# Altium PCB bms_mainboard-1_1.PcbDoc (part 6 of 7) (continued)
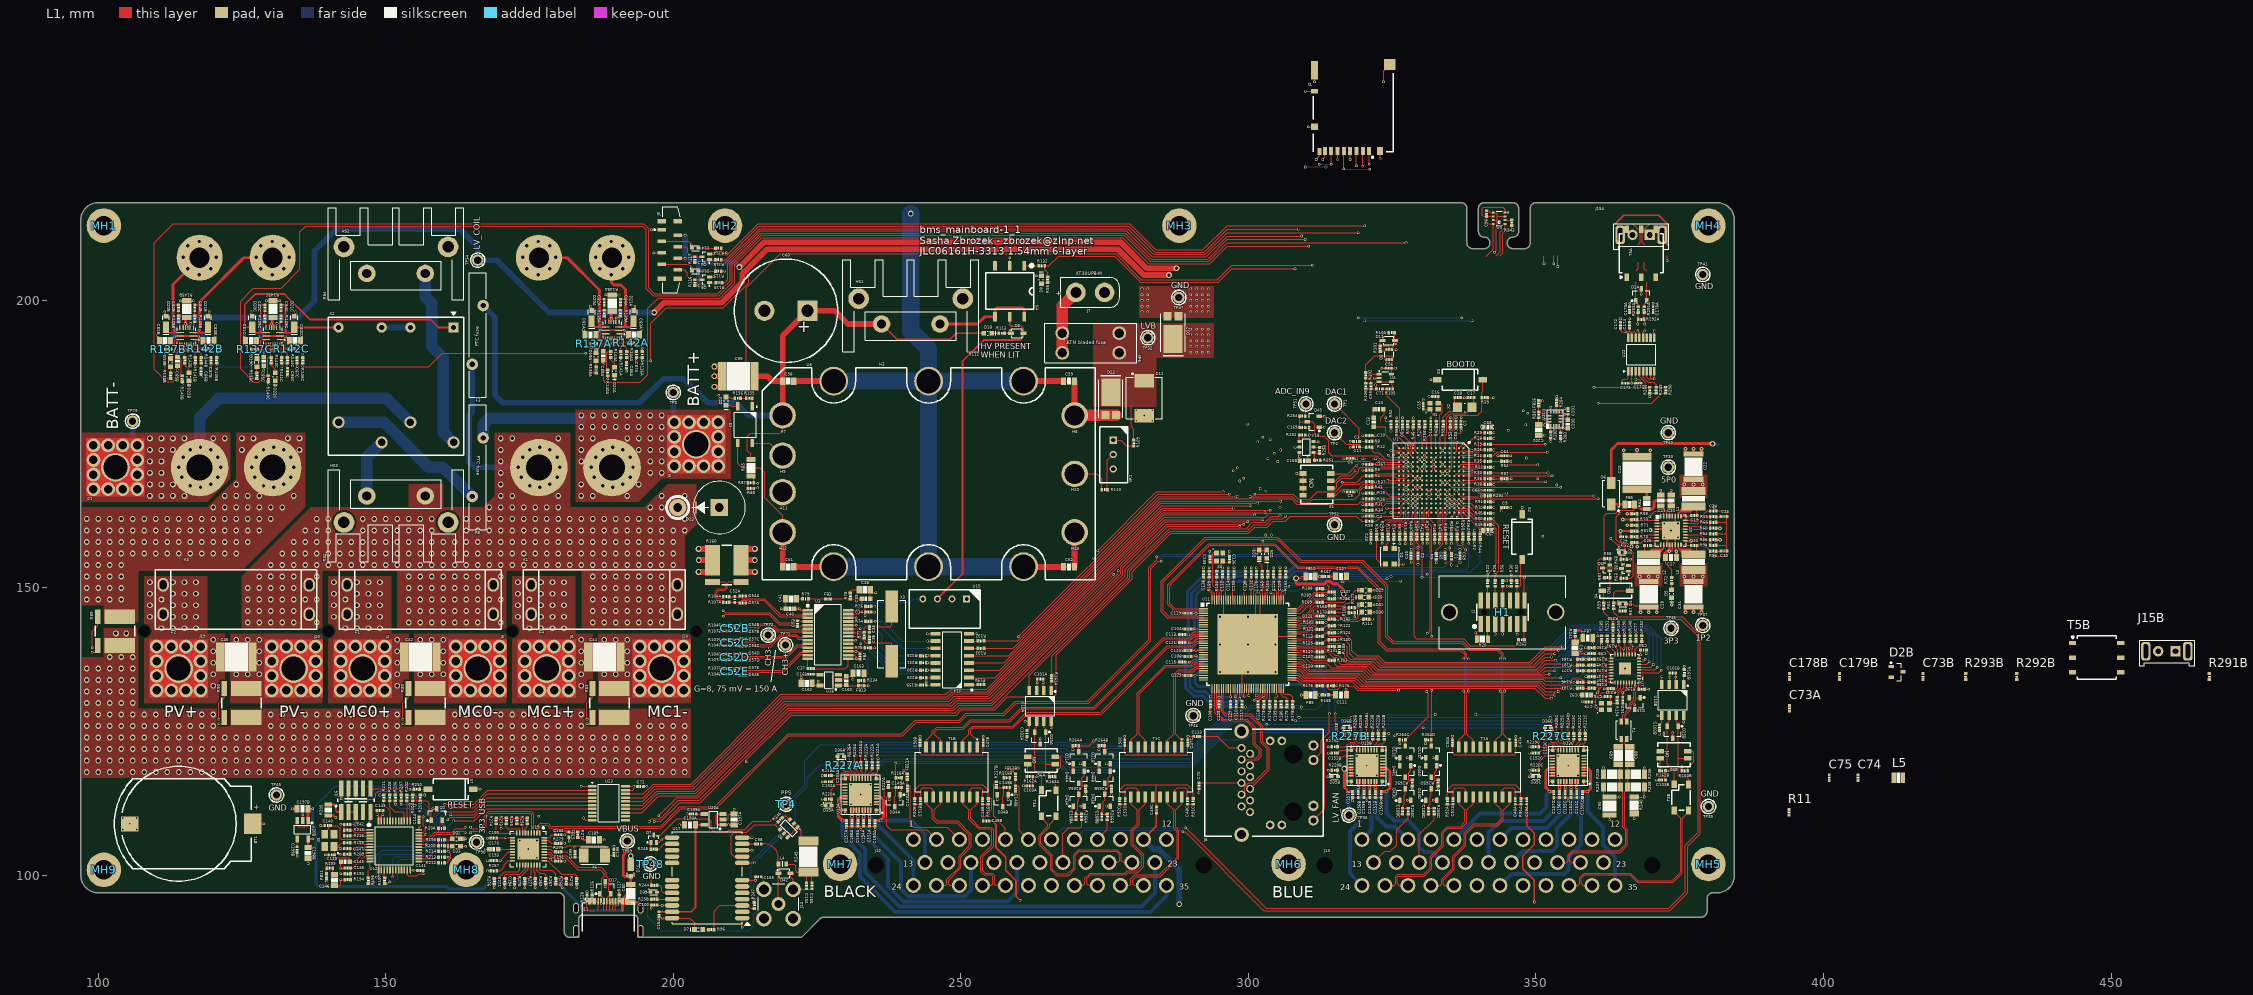
[diagram p0: L1 view]
## Nets (pads, with @x,y where several pads share a name; then routed paths per layer and width w, separated by ;. In a path a pad name is that pad's centre, name@x,y a point inside that pad or via, vN(x,y) a via of type N, cw(c..) or ccw(c..) an arc to the next point about the centre after c; other vN are vias at no path point) (continued)
NetR142C_2: R142C.2 U8C.1 | length 2.9
  L1 w0.2: U8C.1@131.65,193.2 132.3,193.2 132.5,193 132.5,191.7 132.6,191.6 R142C.2@133.1,191.6
NetR149_1: R149.1 U7.20 | length 3
  L1 w0.2: R149.1@360.2,136.6 361.2,136.6 361.55,136.25 U7.20@363.1,136.25
NetR150_1: R150.1 U7.17 | length 4
  L1 w0.2: R150.1@360.2,139.6 361.8,139.6 363.1,138.3 U7.17@363.1,137.75
NetR151_1: R151.1 U7.16 | length 2.9
  L1 w0.2: R151.1@362.4,140.7 362.4,140.2 363.75,138.85 U7.16@363.75,138.4
NetR152_1: R152.1 U7.9 | length 3
  L1 w0.2: U7.9@367.25,138.4 367.25,139.35 367.9,140 368.2,140 368.4,140.2 R152.1@368.4,140.7
NetR153_1: R153.1 U7.19 | length 3.3
  L1 w0.2: R153.1@360.2,137.6 361.3,137.6 362.15,136.75 U7.19@363.1,136.75
NetR154_1: R154.1 U7.28 | length 3.1
  L1 w0.2: R154.1@364.1,131 364.3,131.2 364.3,131.7 365.25,132.65 U7.28@365.25,133.6
NetR157_1: R157.1 U7.23 | length 3.4
  L1 w0.2: R157.1@360.2,133.6 360.7,133.6 361.85,134.75 U7.23@363.1,134.75
NetR158_1: R158.1 U7.24 | length 3.6
  L1 w0.2: R158.1@360.2,132.6 360.378,132.778 360.678,132.778 362.15,134.25 U7.24@363.1,134.25
NetR159_1: R159.1 U7.14 | length 2.4
  L1 w0.2: R159.1@364.4,140.7 364.4,140 364.75,139.65 U7.14@364.75,138.4
NetR161A_2: R161A.2 U10A.1 | length 1.6
  L1 w0.2: U10A.1@265.705,132.2 265.705,133.705 R161A.2@265.8,133.8
NetR161B_2: R161B.2 U10B.1 | length 1.6
  L1 w0.2: U10B.1@375.705,133.2 375.705,134.705 R161B.2@375.8,134.8
NetR162A_1: R162A.1 S6A.2 | length 2.2
  L1 w0.203: R162A.1@261.5,117.2 261.6,117.3 S6A.2@261.6,119.365
NetR162B_1: R162B.1 S6B.2 | length 2.2
  L1 w0.203: R162B.1@371.5,118.2 371.6,118.3 S6B.2@371.6,120.365
NetR163A_2: R163A.2 S6A.3 | length 4.8
  L1 w0.203: R163A.2@266.4,117.2 266.4,117.8 267.4,118.8 267.4,120.5 267.265,120.635 S6A.3@266.4,120.635
NetR163B_2: R163B.2 S6B.3 | length 4.8
  L1 w0.203: R163B.2@376.4,118.2 376.4,118.8 377.4,119.8 377.4,121.5 377.265,121.635 S6B.3@376.4,121.635
NetR172_1: R172.1 U7.21 | length 3
  L1 w0.2: R172.1@360.2,135.6 360.35,135.75 U7.21@363.1,135.75
NetR173_2: R173.2 U11.57 | length 2.4
  L1 w0.2: R173.2@302.7,130.3 303.3,130.9 U11.57@303.3,132.5
NetR174_2: R174.2 U11.58 | length 2.2
  L1 w0.2: R174.2@303.7,130.3 U11.58@303.7,132.5
NetR175_2: R175.2 U11.65 | length 4.7
  L1 w0.2: U11.65@307.6,134 308.5,134 309.5,133 R175.2@311.9,133
NetR178_2: R178.2 U11.64 | length 3.4
  L1 w0.2: U11.64@306.1,132.5 306.1,131.6 306.2,131.5 307.2,131.5 307.7,131 R178.2@307.7,130.3
NetR179_1: R179.1 R180.2 | length 1
  L1 w0.2: R180.2@305.7,129.3 R179.1@306.7,129.3
NetR179_2: R179.2 U11.63 | length 2.8
  L1 w0.2: U11.63@305.7,132.5 305.7,131.4 306,131.1 306.4,131.1 306.7,130.8 R179.2@306.7,130.3
NetR186_1: R186.1 U11.125 | length 4.2
  L1 w0.2: R186.1@294.5,151.9 294.5,151.3 294.9,150.9 U11.125@294.9,147.9
NetR189_1: R189.1 U11.127 | length 4.4
  L1 w0.2: R189.1@293.2,151.9 293.2,149.9 294.1,149 U11.127@294.1,147.9
NetR190_1: R190.1 U7.12 | length 2.4
  L1 w0.2: R190.1@365.4,140.7 365.4,140 365.75,139.65 U7.12@365.75,138.4
NetR191_1: R191.1 U7.15 | length 2.7
  L1 w0.2: R191.1@363.4,140.7 363.4,140.1 364.25,139.25 U7.15@364.25,138.4
NetR192_1: R192.1 U7.2 | length 3.4
  L1 w0.2: R192.1@367.9,132.4 367.9,133.2 368.7,134 368.7,134.6 368.55,134.75 U7.2@367.9,134.75
NetR196_2: R196.2 U12.12 | length 3
  L1 w0.2: R196.2@147,99.6 147,100.8 147.25,101.05 U12.12@147.25,102.45
NetR197_2: R197.2 U12.15 | length 1.4
  L1 w0.2: U12.15@149.75,100.95 149.75,99.65 R197.2@149.8,99.6
NetR198_2: R198.2 R200.2 U12.30 | length 4.6
  L1 w0.2: U12.30@155.75,104.95 158.45,104.95 158.7,105.2 R200.2@159.2,105.2 R198.2@159.2,106.2
NetR202_2: R202.2 U12.38 | length 3.6
  L1 w0.2: R202.2@153.7,113 153.75,112.95 U12.38@153.75,109.45
NetR206_1: R206.1 U12.34 | length 11.8
  L1 w0.15: v1(151.7,112.4) R206.1@151.7,113 ; U12.34@155.75,106.95 156.75,106.95 v1(157,107.2)
  L6 w0.15: v1(151.7,112.4) 152.4,111.7 156.5,111.7 157,111.2 v1(157,107.2)
NetR207_1: R207.1 U12.37 | length 5.1
  L1 w0.15: v1(152.7,112.4) R207.1@152.7,113 ; v1(154.2,112.4) 154.2,111.9 154.25,111.85 U12.37@154.25,109.45
  L6 w0.15: v1(152.7,112.4) v1(154.2,112.4)
NetR208_1: R208.1 U12.39 | length 5.4
  L1 w0.15: R208.1@150.7,113 150.7,112 151.6,111.1 153,111.1 153.25,110.85 U12.39@153.25,109.45
NetR211_1: R211.1 U12.44 | length 4
  L1 w0.15: R211.1@149.7,113 149.7,112.3 150.75,111.25 U12.44@150.75,109.45
NetR212_2: R212.2 U12.25 | length 3.6
  L1 w0.2: U12.25@155.75,102.45 158.35,102.45 158.6,102.2 R212.2@159.2,102.2
NetR213_2: R213.2 U12.26 | length 3.6
  L1 w0.2: U12.26@155.75,102.95 158.35,102.95 158.6,103.2 R213.2@159.2,103.2
NetR214_2: R214.2 U12.27 | length 3.8
  L1 w0.2: U12.27@155.75,103.45 157.75,103.45 158.5,104.2 R214.2@159.2,104.2
NetR215_1: R215.1 U12.2 | length 3.6
  L1 w0.2: R215.1@143.8,107.9 144.3,107.9 144.75,107.45 U12.2@147.25,107.45
NetR216_1: R216.1 U12.3 | length 3.5
  L1 w0.2: R216.1@143.8,106.9 143.85,106.95 U12.3@147.25,106.95
NetR221A_1: R221A.1 U13A.9 | length 2.7
  L1 w0.2: U13A.9@234.35,116.85 234.35,117.44 234.785,117.875 235.345,117.875 235.6,118.13 R221A.1@235.6,118.7
NetR221B_1: R221B.1 U13B.9 | length 2.7
  L1 w0.2: U13B.9@322.35,121.85 322.35,122.44 322.785,122.875 323.345,122.875 323.6,123.13 R221B.1@323.6,123.7
NetR221C_1: R221C.1 U13C.9 | length 2.7
  L1 w0.2: U13C.9@357.35,121.85 357.35,122.44 357.785,122.875 358.345,122.875 358.6,123.13 R221C.1@358.6,123.7
NetR222A_1: R222A.1 U13A.10 | length 2.2
  L1 w0.2: U13A.10@233.85,116.85 233.85,117.58 234.6,118.33 R222A.1@234.6,118.7
NetR222B_1: R222B.1 U13B.10 | length 2.2
  L1 w0.2: U13B.10@321.85,121.85 321.85,122.58 322.6,123.33 R222B.1@322.6,123.7
NetR222C_1: R222C.1 U13C.10 | length 2.2
  L1 w0.2: U13C.10@356.85,121.85 356.85,122.58 357.6,123.33 R222C.1@357.6,123.7
NetR223A_1: R223A.1 U13A.11 | length 2
  L1 w0.2: U13A.11@233.35,116.85 233.35,117.98 233.6,118.23 R223A.1@233.6,118.7
NetR223B_1: R223B.1 U13B.11 | length 2
  L1 w0.2: U13B.11@321.35,121.85 321.35,122.98 321.6,123.23 R223B.1@321.6,123.7
NetR223C_1: R223C.1 U13C.11 | length 2
  L1 w0.2: U13C.11@356.35,121.85 356.35,122.98 356.6,123.23 R223C.1@356.6,123.7
NetR224A_1: R224A.1 U13A.12 | length 2
  L1 w0.2: R224A.1@232.6,118.7 232.6,118.22 232.85,117.97 U13A.12@232.85,116.85
NetR224B_1: R224B.1 U13B.12 | length 2
  L1 w0.2: R224B.1@320.6,123.7 320.6,123.22 320.85,122.97 U13B.12@320.85,121.85
NetR224C_1: R224C.1 U13C.12 | length 2
  L1 w0.2: R224C.1@355.6,123.7 355.6,123.22 355.85,122.97 U13C.12@355.85,121.85
NetR225A_1: R225A.1 U13A.13 | length 2.2
  L1 w0.2: R225A.1@231.6,118.7 231.789,118.511 231.789,118.231 232.35,117.67 U13A.13@232.35,116.85
NetR225B_1: R225B.1 U13B.13 | length 2.2
  L1 w0.2: R225B.1@319.6,123.7 319.789,123.511 319.789,123.231 320.35,122.67 U13B.13@320.35,121.85
NetR225C_1: R225C.1 U13C.13 | length 2.2
  L1 w0.2: R225C.1@354.6,123.7 354.789,123.511 354.789,123.231 355.35,122.67 U13C.13@355.35,121.85
NetR226A_1: R226A.1 U13A.14 | length 2.6
  L1 w0.2: R226A.1@230.6,118.7 230.794,118.506 230.794,118.326 231.069,118.051 231.385,118.051 231.85,117.586 U13A.14@231.85,116.85
NetR226B_1: R226B.1 U13B.14 | length 2.6
  L1 w0.2: R226B.1@318.6,123.7 318.794,123.506 318.794,123.326 319.069,123.051 319.385,123.051 319.85,122.586 U13B.14@319.85,121.85
NetR226C_1: R226C.1 U13C.14 | length 2.6
  L1 w0.2: R226C.1@353.6,123.7 353.794,123.506 353.794,123.326 354.069,123.051 354.385,123.051 354.85,122.586 U13C.14@354.85,121.85
NetR227A_2: R227A.2 U13A.15 | length 3.1
  L1 w0.2: R227A.2@229.6,118.7 229.6,118.32 229.745,118.175 230.345,118.175 230.845,117.675 231.145,117.675 231.35,117.47 U13A.15@231.35,116.85
NetR227B_2: R227B.2 U13B.15 | length 3.1
  L1 w0.2: R227B.2@317.6,123.7 317.6,123.32 317.745,123.175 318.345,123.175 318.845,122.675 319.145,122.675 319.35,122.47 U13B.15@319.35,121.85
NetR227C_2: R227C.2 U13C.15 | length 3.1
  L1 w0.2: R227C.2@352.6,123.7 352.6,123.32 352.745,123.175 353.345,123.175 353.845,122.675 354.145,122.675 354.35,122.47 U13C.15@354.35,121.85
NetR228_2: R228.2 U14.12 | length 3
  L1 w0.2: R228.2@244,138.2 244.035,138.235 U14.12@245.579,138.235 ; v1(244.22,138.279) 244.224,138.275 U14.12@245.579,138.275
NetR229_2: R229.2 U14.15 | length 1.6
  L1 w0.2: R229.2@244,134.4 245.554,134.4 U14.15@245.579,134.425
NetR230_2: R230.2 U14.14 | length 2.9
  L1 w0.2: R230.2@244,135.7 245.574,135.7 U14.14@245.579,135.695 ; v1(244.22,135.679) 244.224,135.675 U14.14@245.579,135.675
NetR231_2: R231.2 U14.13 | length 3
  L1 w0.2: R231.2@244,137 245.544,137 U14.13@245.579,136.965 ; v1(244.22,136.979) 244.224,136.975 U14.13@245.579,136.975
NetR232_1: R232.1 U14.7 | length 1.6
  L1 w0.2: U14.7@251.421,140.775 252.975,140.775 R232.1@253,140.8
NetR233_1: R233.1 U14.6 | length 1.6
  L1 w0.2: U14.6@251.421,139.505 252.995,139.505 R233.1@253,139.5
NetR242_1: R242.1 U7.26 | length 1.7
  L1 w0.2: R242.1@363.5,132.5 364,132.5 364.25,132.75 U7.26@364.25,133.6
NetR243_2: R243.2 U9.3 | length 1.2
  L1 w0.2: U9.3@344.625,213.975 345.775,213.975 R243.2@345.8,214
NetR244_1: R244.1 U17.20 | length 3.5
  L1 w0.2: R244.1@197.2,98.3 197.7,98.3 198,98 198,97.3 198.3,97 U17.20@199.8,97
NetR248_2: R248.2 U17.14 | length 3.1
  L1 w0.2: R248.2@197.1,104.6 197.5,104.6 198.4,105.5 U17.14@199.8,105.5
NetR251_1: R251.1 R253.2 U18.1 | length 2.6
  L1 w0.15: R251.1@311.5,172.2 311.5,173.375 U18.1@311.325,173.55 311.85,173.55 312,173.4 R253.2@312.4,173.4
NetR252_2: R252.2 U18.4 | length 1.2
  L1 w0.2: U18.4@308.875,175.45 308.875,176.575 R252.2@308.9,176.6
NetR254_2: R254.2 TP51.1 | length 2.1
  L1 w0.2: R254.2@309.9,179.9 310,180 TP51.1@310,182
NetR255_2: R255.2 U19.7 | length 2.4
  L1 w0.2: R255.2@172.8,109 173.5,109 173.8,108.7 U19.7@173.8,107.375
NetR256_2: R256.2 U19.6 | length 1.7
  L1 w0.2: U19.6@174.3,107.375 174.3,108.2 174.6,108.5 R256.2@174.6,109
NetR257_1: R257.1 U19.18 | length 3.7
  L1 w0.2: R257.1@169.3,100.8 169.9,100.8 170.6,101.5 170.6,101.9 171.3,102.6 U19.18@172.025,102.6
NetR258_2: R258.2 U1.H3 | length 5.5
  L1 w0.15: v1(330.7,177.4) R258.2@330.7,178
  L1 w0.2: v1(330.6,173.1) 331,172.7
  L6 w0.15: v1(330.6,173.1) 330.6,176.9 330.7,177 v1(330.7,177.4)
NetR259_2: R259.2 U1.N1 | length 8.4
  L1 w0.15: R259.2@323.3,159.4 323.3,160.3 324.5,161.5 327,161.5 327.4,161.9 327.4,163.5 327.8,163.9
  L1 w0.2: U1.N1@327.8,174.3 v1(327.8,174.9)
NetR260_2: R260.2 U1.E15
NetR261_2: R261.2 U1.E13 | length 5.9
  L1 w0.15: R261.2@335.3,159.4 v1(335.3,160)
  L1 w0.2: U1.E13@334.2,164.7 v1(334.6,164.3)
  L6 w0.15: v1(334.6,164.3) 334.6,163.8 334.4,163.6 334.4,160.9 v1(335.3,160)
NetR262_2: R262.2 U1.E14 | length 7.3
  L1 w0.15: R262.2@338.3,159.4 v1(338.3,160)
  L1 w0.2: 335,164.7 v1(335.4,164.3)
  L6 w0.15: v1(335.4,164.3) 335.4,164 336.2,163.2 337.3,163.2 338.3,162.2 v1(338.3,160)
NetR267_2: R267.2 R268.2 U19.27 | length 6.5
  L1 w0.2: U19.27@176.8,101.825 176.8,101.1 177,100.9 179,100.9 179.6,100.3 R267.2@179.6,99.5 R268.2@181.4,99.5
NetR269_2: R269.2 U19.26 | length 3.4
  L1 w0.2: U19.26@176.3,101.825 176.3,100.9 176.8,100.4 177.5,100.4 177.8,100.1 R269.2@177.8,99.5
NetR270_2: R270.2 U19.28 | length 7.2
  L1 w0.2: U19.28@177.575,102.6 178.2,102.6 180.6,100.2 183,100.2 183.2,100 R270.2@183.2,99.5
NetR271_2: R271.2 U19.22 | length 5.2
  L1 w0.2: R271.2@170.7,99.5 170.7,100 170.9,100.2 173.3,100.2 174.3,101.2 U19.22@174.3,101.825
NetR273_2: R273.2 U19.8 | length 3.7
  L1 w0.2: R273.2@171,109 171,108.3 171.2,108.1 173.183,108.1 173.3,107.983 U19.8@173.3,107.375
NetR274_2: R274.2 U19.9 | length 5
  L1 w0.2: R274.2@169.2,109 169.2,107.7 169.525,107.375 U19.9@172.8,107.375
NetR275_2: R275.2 U19.32 | length 2.1
  L1 w0.2: U19.32@177.575,104.6 178.6,104.6 179.1,104.1 R275.2@179.5,104.1
NetR276_1: R276.1 U19.20 | length 5.8
  L1 w0.2: R276.1@168.9,99.5 169.5,99.5 170.7,100.7 173,100.7 173.3,101 U19.20@173.3,101.825
NetR277_1: R277.1 U19.25 | length 2.4
  L1 w0.2: U19.25@175.8,101.825 175.8,100.6 176,100.4 R277.1@176,99.5
NetR278_1: R278.1 U19.24 | length 3.2
  L1 w0.2: R278.1@174.2,99.5 175,99.5 175.3,99.8 U19.24@175.3,101.825
NetR279_1: R279.1 U19.35 | length 2.1
  L1 w0.2: U19.35@177.575,106.1 178.3,106.1 178.8,105.6 R279.1@179.5,105.6
NetR282_2: R282.2 U21.1 | length 1.2
  L1 w0.2: U21.1@352.575,178.263 352.575,177.125 R282.2@352.6,177.1
NetR283_2: R283.2 U21.4 | length 1.4
  L1 w0.2: U21.4@354.075,178.263 354.075,177.694 354.3,177.469 R283.2@354.3,177
NetR284_1: R284.1 U21.9 | length 1.1
  L1 w0.2: U21.9@353.575,180.588 353.575,181.675 R284.1@353.6,181.7
NetR285_2: R285.2 U11.95 | length 5.4
  L1 w0.15: U11.95@307.6,146 308.8,146 311.5,148.7 R285.2@311.9,148.7
NetR286_1: R286.1 U11.94 | length 7.4
  L1 w0.15: U11.94@307.6,145.6 309.1,145.6 311.6,148.1 R286.1@314,148.1
NetR287_2: R287.2 U1.M6 | length 4.1
  L1 w0.15: 330.2,163.1 330.2,161.1 331.1,160.2 R287.2@331.1,159.4
NetR289_1: R289.1 R290.1 U22.5 | length 6
  L1 w0.2: U22.5@368.625,187.7 368.625,186.675 369.5,185.8 370.5,185.8 370.9,185.4 R289.1@370.9,184.9 R290.1@372.6,184.9
NetR294_2: R294.2 U1.B12 | length 5.8
  L1 w0.15: v1(340.5,166) R294.2@341.1,166
  L1 w0.2: 335.8,167.1 v1(336.2,166.7)
  L6 w0.15: v1(336.2,166.7) 337,165.9 339.8,165.9 339.9,166 v1(340.5,166)
OSC_IN: C140.1 U12.5 X5.3 | length 10.9
  L1 w0.2: X5.3@139.4,107.16 139.4,107.4 140.1,108.1 140.1,108.4 C140.1@140.4,108.7 141.6,108.7 142.1,108.2 142.1,106.5 142.3,106.3 145.1,106.3 145.45,105.95 U12.5@147.25,105.95
OSC_IN_2: C16.1 U1.J1 X1.3 | length 10.1
  L1 w0.15: 332.6,174.3 332.6,176.4 333.3,177.1 333.3,180.1 333.7,180.5 333.7,182 333.55,182.15 X1.3@333,182.15 C16.1@333,183.3
OSC_OUT: R195.1 U12.6 | length 3.6
  L1 w0.2: R195.1@143.8,105.7 145,105.7 145.25,105.45 U12.6@147.25,105.45
OSC_OUT_2: R42.1 U1.J2 | length 4.1
  L1 w0.15: 331.8,174.3 331.8,176.2 332.7,177.1 R42.1@332.7,178
P1_MDI_PHY.RX_N: T1A.1 U11.5 | length 106.3
  L1 w0.123: U11.5@292.2,144.8 292.162,144.838 285.905,144.838 284.877,145.866 284.877,151.177 292.523,158.823 305.134,158.823 309.157,154.8 319.857,154.8 324.223,150.434 324.223,141.677 325.2,140.7 337.3,140.7 338.5,139.5 343.4,139.5 344.341,138.559 344.341,137.902 v1(344.579,137.664) ; v1(344.577,132.093) 344.337,131.852 344.337,124.6 345.445,123.492 T1A.1@345.445,122.382
  L6 w0.123: v1(344.577,132.093) 344.339,132.331 344.339,137.423 v1(344.579,137.664)
P1_MDI_PHY.RX_P: T1A.3 U11.4 | length 104.7
  L1 w0.123: U11.4@292.2,145.2 292.162,145.162 286.038,145.162 285.2,146 285.2,151.043 292.657,158.5 305,158.5 309.023,154.477 319.723,154.477 323.9,150.3 323.9,141.543 325.066,140.377 337.166,140.377 338.366,139.177 343.266,139.177 344.018,138.425 344.018,137.902 v1(343.779,137.664) ; T1A.3@342.905,122.382 342.905,123.492 344.013,124.6 344.013,131.857 v1(343.777,132.093)
  L6 w0.123: v1(343.777,132.093) 344.016,132.331 344.016,137.427 v1(343.779,137.664)
P1_MDI_PHY.TX_N: T1A.6 U11.2 | length 95.4
  L1 w0.123: U11.2@292.2,146 292.162,146.038 287.105,146.038 285.977,147.166 285.977,150.577 293.123,157.723 304.6,157.723 308.6,153.723 319.034,153.723 322.923,149.834 322.923,140.634 324.129,139.429 337.071,139.429 337.991,138.509 337.991,137.902 v1(338.229,137.664) ; v1(338.227,132.093) 337.987,131.852 337.987,124.6 339.095,123.492 T1A.6@339.095,122.382
  L6 w0.123: v1(338.227,132.093) 337.989,132.331 337.989,137.423 v1(338.229,137.664)
P1_MDI_PHY.TX_P: T1A.8 U11.1 | length 93.8
  L1 w0.123: U11.1@292.2,146.4 292.162,146.362 287.238,146.362 286.3,147.3 286.3,150.443 293.257,157.4 304.466,157.4 308.466,153.4 318.9,153.4 322.6,149.7 322.6,140.5 323.995,139.105 336.938,139.105 337.668,138.375 337.668,137.902 v1(337.429,137.664) ; T1A.8@336.555,122.382 336.555,123.492 337.663,124.6 337.663,131.857 v1(337.427,132.093)
  L6 w0.123: v1(337.427,132.093) 337.666,132.331 337.666,137.427 v1(337.429,137.664)
P2_MDI_PHY.RX_N: T1B.1 U11.16 | length 50.1
  L1 w0.123: T1B.1@252.845,122.382 252.845,123.492 251.737,124.6 251.737,125.237 252.177,125.677 259.134,125.677 261.534,128.077 274.477,128.077 286,139.6 290.362,139.6 291.2,140.438 292.162,140.438 U11.16@292.2,140.4
P2_MDI_PHY.RX_P: T1B.3 U11.15 | length 50.6
  L1 w0.123: T1B.3@250.305,122.382 250.305,123.492 251.413,124.6 251.413,125.37 252.043,126 259,126 261.4,128.4 274.343,128.4 285.866,139.923 290.228,139.923 291.066,140.762 292.162,140.762 U11.15@292.2,140.8
P2_MDI_PHY.TX_N: T1B.6 U11.13 | length 56.8
  L1 w0.123: T1B.6@246.495,122.382 246.495,123.492 245.387,124.6 245.387,124.93 245.934,125.477 250.434,125.477 251.734,126.777 258.534,126.777 260.734,128.977 273.277,128.977 285.305,141.005 290.005,141.005 290.638,141.638 292.162,141.638 U11.13@292.2,141.6
P2_MDI_PHY.TX_P: T1B.8 U11.12 | length 57.3
  L1 w0.123: T1B.8@243.955,122.382 243.955,123.492 245.063,124.6 245.063,125.063 245.8,125.8 250.3,125.8 251.6,127.1 258.4,127.1 260.6,129.3 273.143,129.3 285.172,141.329 289.871,141.329 290.505,141.962 292.162,141.962 U11.12@292.2,142
P3_MDI_PHY.RX_N: T1C.1 U11.27 | length 18.3
  L1 w0.123: T1C.1@288.445,122.382 288.445,123.492 287.337,124.6 287.337,134.78 288.034,135.477 290.477,135.477 291.038,136.038 292.162,136.038 U11.27@292.2,136
P3_MDI_PHY.RX_P: T1C.3 U11.26 | length 18.8
  L1 w0.123: T1C.3@285.905,122.382 285.905,123.492 287.013,124.6 287.013,134.913 287.9,135.8 290.343,135.8 290.905,136.362 292.162,136.362 U11.26@292.2,136.4
P3_MDI_PHY.TX_N: T1C.6 U11.25 | length 23.1
  L1 w0.123: T1C.6@282.095,122.382 282.095,123.492 280.987,124.6 280.987,131.587 285.677,136.277 290.077,136.277 290.638,136.838 292.162,136.838 U11.25@292.2,136.8
P3_MDI_PHY.TX_P: T1C.8 U11.24 | length 23.6
  L1 w0.123: T1C.8@279.555,122.382 279.555,123.492 280.663,124.6 280.663,131.72 285.543,136.6 289.943,136.6 290.505,137.162 292.162,137.162 U11.24@292.2,137.2
PHY_GPIO0_1: R53.1 R152.2 | length 63.8
  L1 w0.15: R53.1@335.1,179 v1(335.1,179.6) ; R152.2@368.4,141.7 v1(368.4,142.3)
  L3 w0.15: v1(349.8,180) 349.8,176.7 350.8,175.7 350.8,156 362.1,144.7 366,144.7 v1(368.4,142.3)
  L4 w0.15: v1(335.1,179.6) 335.5,180 v1(349.8,180)
PHY_nIRQ_1: R147.2 U1.C2 U7.22 | length 66.6
  L1 w0.2: v1(330.6,172.3) 331,171.9 ; R147.2@360.2,134.6 v1(360.8,134.6) 361.45,135.25 U7.22@363.1,135.25
  L3 w0.15: v1(348.3,172.6) 348.3,168.4 349.2,167.5 349.2,155.6 362.9,141.9 362.9,136.7 v1(360.8,134.6)
  L4 w0.15: v1(330.6,172.3) 331,172.7 342.9,172.7 343,172.6 v1(348.3,172.6)
PHY_nRESET_1: C77.1 R46.1 R148.2 U7.10 | length 73.2
  L1 w0.15: R46.1@328.7,179 v1(328.7,179.6) ; R148.2@366.4,140.7 366.4,140.2 366.613,139.987 v1(366.948,139.987) 366.948,139.648 366.75,139.45 U7.10@366.75,138.4
  L1 w0.2: R148.2@366.4,140.7 C77.1@367.4,140.7
  L3 w0.15: v1(348.6,180.4) 348.6,176.1 349.5,175.2 349.5,169 350.4,168.1 350.4,155.9 362.4,143.9 363.4,143.9 364.9,142.4 364.9,142.036 v1(366.948,139.987)
  L4 w0.15: v1(328.7,179.6) 329.1,180 334.6,180 335,180.4 v1(348.6,180.4)
PMIC_EN_DETECT_1: R63.1 U1.D5 | length 52.1
  L1 w0.15: v1(364.6,163) 364,162.4 364,158.4 364.5,157.9 365.1,157.9 366.9,156.1 366.9,152.1 366.5,151.7 R63.1@365.8,151.7
  L1 w0.2: v1(328.2,165.1) 328.6,165.5
  L4 w0.15: v1(328.2,165.1) 328.6,165.5 360.1,165.5 362.6,163 v1(364.6,163)
PMIC_FORCE_EN_1: D3.1 R6.1 | length 43.4
  L1 w0.15: v1(326.3,157.7) R6.1@326.3,158.4 ; v1(363,158.6) 364.1,157.5 365,157.5 365.55,156.95 D3.1@365.55,156.2
  L4 w0.15: v1(326.3,157.7) 326.8,157.2 328.7,157.2 329.1,157.6 329.8,157.6 330,157.4 334.6,157.4 334.8,157.6 334.8,157.631 334.804,157.634 334.804,157.966 334.8,157.969 334.8,158.8 335,159 340,159 340.4,158.6 v1(363,158.6)
PRECHARGE_CONTACTOR_1: R17.1 R140C.2 R143C.1 U8C.15 | length 309.8
  L1 w0.15: R140C.2@129.6,186.9 129,186.9 127.9,185.8 127.1,185.8 124.8,188.1 124.8,199.9 127,202.1 131.8,202.1 135.1,205.4 135.1,211.9 136.1,212.9 194.7,212.9 195.3,212.3 195.3,202 196.5,200.8 207.9,200.8 210.3,203.2 210.3,206.3 215.3,211.3 278.4,211.3 282.9,206.8 293.1,206.8 296.3,210 v1@327.539,210 ; v1(327.3,157.7) R17.1@327.3,158.4
  L1 w0.2: R140C.2@129.6,186.9 129.476,187.024 129.476,189.903 129.673,190.1 R143C.1@130.1,190.1 130,190.2 U8C.15@130,192.35
  L3 w0.15: v1(327.3,157.7) 327.8,158.2 327.8,174.1 327.4,174.5 v1(327.4,210)
PWM1_OUT: J9.8 Q5.3 R116.2 | length 5.3
  L1 w0.2: J9.8@200.8,205.3 201.9,205.3 202.4,204.8 202.4,204.2 203,203.6 R116.2@203.75,203.6 Q5.3@205.025,203.6
PWM2_OUT: J9.4 Q4.3 R117.2 | length 5.4
  L1 w0.2: J9.4@200.8,209.3 202.2,209.3 202.5,209 202.5,208.2 203.1,207.6 R117.2@203.75,207.6 Q4.3@205.025,207.6
RX4_N: J8.5 U11.38 | length 24.6
  L1 w0.123: U11.38@295.7,132.5 295.662,132.462 295.662,128.6 296.138,128.123 300.377,128.123 302.5,126 302.5,123.3 303.623,122.177 303.623,118.4 J8.5@300.307,115.084
RX4_P: J8.4 U11.37 | length 26.6
  L1 w0.123: U11.37@295.3,132.5 295.338,132.462 295.338,128.466 296.005,127.8 300.243,127.8 302.177,125.866 302.177,123.166 303.3,122.043 303.3,118.534 300.866,116.1 300.065,116.1 299.4,115.435 299.4,114.66 J8.4@298.808,114.068
SD_DETECT_1: J2.9 U1.C11 | length 18.4
  L1 w0.15: v1(309.9,236.4) J2.9@311.5,236.4
  L3 w0.15: v1(309.9,223.2) v1(309.9,236.4)
  L6 w0.15: v1(309.9,223.2) v1(313.5,223.2)
SDIO.CLK_1: J2.5 R51.1 | length 41.3
  L1 w0.15: v1(316.6,222.9) J2.5@316.6,226 ; R51.1@342.1,165 v1(342.7,165)
  L3 w0.15: 342.1,197.8 342.1,165.6 v1(342.7,165)
  L6 w0.15: v1(316.6,222.9) 316.7,222.8 v1(321.1,222.8)
SDIO.CMD_1: J2.3 R2.1 | length 44.8
  L1 w0.15: v1(318.8,223.4) J2.3@318.8,226 ; v1(339.3,157.8) R2.1@339.3,158.4
  L3 w0.15: 317.3,221.9 v1(318.8,223.4) ; 338.3,196.9 338.3,161 338.8,160.5 338.8,158.3 v1(339.3,157.8)
SDIO.D0_1: J2.7 R47.1 | length 46.5
  L1 w0.15: v1(314.4,223.7) J2.7@314.4,226 ; v1(333.2,157.8) 333.2,158.3 R47.1@333.3,158.4
  L3 w0.15: v1(333.2,157.8) 333.2,160.2 333,160.4 333,165.1 332.6,165.5 332.6,176.4 333.3,177.1 333.3,198.7
  L6 w0.15: v1(312.3,223.7) v1(314.4,223.7)
SDIO.D1_1: J2.8 R48.1 | length 44.6
  L1 w0.15: v1(312.9,224.5) 313.3,224.9 J2.8@313.3,226 ; R48.1@334.3,158.4 334.4,158.3 334.4,157.8 v1(334.404,157.8)
  L3 w0.15: 333.9,199.5 333.9,176.9 333.4,176.4 333.4,161.1 334.404,160.096 v1(334.404,157.8)
SDIO.D2_1: J2.1 R49.1 | length 41.8
  L1 w0.15: v1(321,223.7) J2.1@321,226 ; R49.1@342.1,161 v1(342.7,161)
  L3 w0.15: v1(321,223.7) 322.2,222.5 ; v1(342.7,161) 343.35,161.65 343.35,172.15 343.8,172.6 343.8,176.9 343.2,177.5 343.2,197.5
SDIO.D3_1: J2.2 R50.1 | length 40.3
  L1 w0.15: v1(319.9,223.3) J2.2@319.9,226 ; R50.1@342.1,162 v1(342.7,162)
  L3 w0.15: v1(319.9,223.3) 320.7,222.5 ; 341.7,197.5 341.7,163 v1(342.7,162)
SMI.MDC_1: R95.1 U7.13 | length 73.3
  L1 w0.15: R95.1@325.8,179 v1(325.8,179.6) ; U7.13@365.25,138.4 365.25,139.46 v1(365.254,139.464)
  L3 w0.15: v1(347.8,180.8) 347.8,175.7 348.7,174.8 348.7,168.6 349.6,167.7 349.6,155.7 362.2,143.1 363.1,143.1 363.9,142.3 363.9,140.818 v1(365.254,139.464)
  L4 w0.15: v1(325.8,179.6) 326.6,180.4 334.4,180.4 334.8,180.8 v1(347.8,180.8)
SMI.MDIO_1: R52.1 R159.2 U1.M3 | length 75
  L1 w0.15: v1(324.8,173.9) 326.6,173.9 327,173.5 ; v1(324.8,177.3) R52.1@324.8,178 ; R159.2@364.4,141.7 v1(364.4,142.3)
  L3 w0.15: v1(324.8,173.9) v1(324.8,177.3) ; v1(348.2,178.4) 348.2,175.9 349.1,175 349.1,168.8 350,167.9 350,155.8 362.3,143.5 363.2,143.5 v1(364.4,142.3)
  L4 w0.15: v1(324.8,177.3) 325.9,177.3 326.4,177.8 331.9,177.8 332.8,176.9 340.9,176.9 342.4,178.4 v1(348.2,178.4)
SPI2.MISO_1: D36A.2 D36B.2 D36C.2 R134.2 R227A.1 R227B.1 R227C.1 U1.F10 | length 202.9
  L1 w0.15: D36A.2@229.65,120.7 229.65,121.65 230.1,122.1 v1(230.7,122.1) ; R134.2@306.5,152.9 v1(306.5,153.5) ; D36B.2@317.65,125.7 317.65,127.15 v1(318,127.5) ; 335.8,163.9 336.2,163.5 336.8,163.5 337,163.3 337,162.7 337.2,162.5 v1(337.2,161.1) ; v1(352.5,127.5) 352.5,127.2 352.65,127.05 D36C.2@352.65,125.7
  L1 w0.2: R227A.1@229.6,119.7 229.6,120.65 D36A.2@229.65,120.7 ; R227B.1@317.6,124.7 317.6,125.65 D36B.2@317.65,125.7 ; R227C.1@352.6,124.7 352.6,125.65 D36C.2@352.65,125.7
  L3 w0.15: v1(306.5,153.5) 306.5,135.7 308.7,133.5 308.7,129 308.8,128.9 v1(308.8,127.5) ; v1(336.2,153.9) 336.2,160.1 v1(337.2,161.1)
  L4 w0.15: v1(306.5,153.5) 335.8,153.5 v1(336.2,153.9)
  L6 w0.15: v1(230.7,122.1) 268.2,122.1 268.8,121.5 290.3,121.5 296.9,128.1 308.2,128.1 v1(308.8,127.5) v1(318,127.5) v1(352.5,127.5)
SPI2.MOSI_1: R44.1 R226A.2 R226B.2 R226C.2 U11.98 | length 197.8
  L1 w0.15: R226A.2@230.6,119.7 230.6,120.1 230.7,120.2 v1(230.7,121.2) ; U11.98@305.7,147.9 305.7,149.2 v1(306,149.5) ; R226B.2@318.6,124.7 v1(318.6,126.9) ; v1(340.3,157.8) R44.1@340.3,158.4 ; v1(353.4,126.9) 353.6,126.7 R226C.2@353.6,124.7
  L3 w0.15: v1(306,149.5) 306,135.5 308.2,133.3 v1(308.2,126.9)
  L6 w0.15: v1(230.7,121.2) 231,121.5 267.9,121.5 268.5,120.9 290.2,120.9 297,127.7 307.4,127.7 v1(308.2,126.9) v1(318.6,126.9) v1(353.4,126.9) ; v1(306,149.5) 308.5,149.5 308.9,149.9 312.8,149.9 315.7,152.8 338.7,152.8 340.3,154.4 v1(340.3,157.8)
SPI2.SCK_1: R3.1 R225A.2 R225B.2 R225C.2 U11.101 | length 196.2
  L1 w0.15: R225A.2@231.6,119.7 v1(231.6,120.9) ; v1(303.9,149.2) 304.2,149.2 304.5,148.9 U11.101@304.5,147.9 ; v1(319.5,126.3) 319.5,125.7 319.6,125.6 R225B.2@319.6,124.7 ; R3.1@336.3,158.4 336.3,157.6 336.5,157.4 337,157.4 v1(337.8,156.6) ; R225C.2@354.6,124.7 v1(354.6,126.3)
  L3 w0.15: v1(303.2,126.3) 303.2,130.3 303.8,130.9 303.8,148.6 303.9,148.7 v1(303.9,149.2)
  L6 w0.15: v1(231.6,120.9) 267.6,120.9 268.2,120.3 290.1,120.3 297.1,127.3 302.2,127.3 v1(303.2,126.3) v1(319.5,126.3) v1(354.6,126.3) ; v1(303.9,149.2) 305.1,149.2 306.8,150.9 312.9,150.9 315.6,153.6 334.1,153.6 335.4,154.9 337.1,154.9 337.8,155.6 v1(337.8,156.6)
SPI4.MISO_1: R232.2 U1.P10 | length 83.2
  L1 w0.15: R232.2@254,140.8 259.9,140.8 284.6,165.5 307.5,165.5 308.4,164.6 319.1,164.6 319.5,165 322.8,165 323.3,165.5 326.2,165.5
SPI4.MOSI_1: R43.1 U14.4 | length 83.8
  L1 w0.15: U14.4@251.421,136.965 257.565,136.965 284.9,164.3 v1(300.3,164.3) ; v1(300.3,165.9) 307.6,165.9 308.5,165 310.8,165 311.2,165.4 318.5,165.4 319.4,166.3 319.4,166.9 320,167.5 R43.1@320.5,167.5
  L3 w0.15: v1(300.3,164.3) v1(300.3,165.9)
SPI4.SCK_1: R25.1 U14.3 | length 111.8
  L1 w0.15: U14.3@251.421,135.695 256.795,135.695 285,163.9 v1(297.4,163.9) ; R25.1@342.1,174 v1(342.7,174)
  L3 w0.15: v1(297.4,163.9) v1(297.4,170.4)
  L4 w0.15: v1(297.4,170.4) 308.8,170.4 309.1,170.1 322.7,170.1 324.5,171.9 327.8,171.9 329.4,173.5 339.4,173.5 339.9,174 v1(342.7,174)
SPI4_ISO.MISO_1: R74.2 U14.10 | length 12.6
  L1 w0.2: R74.2@234.4,144.2 v1(235.1,144.2) ; v1(244.22,140.779) 244.224,140.775 U14.10@245.579,140.775
  L6 w0.2: v1(235.1,144.2) 236.4,144.2 239.821,140.779 v1(244.22,140.779)